# KiCad board 20250915_Mainboard_Design.kicad_pcb
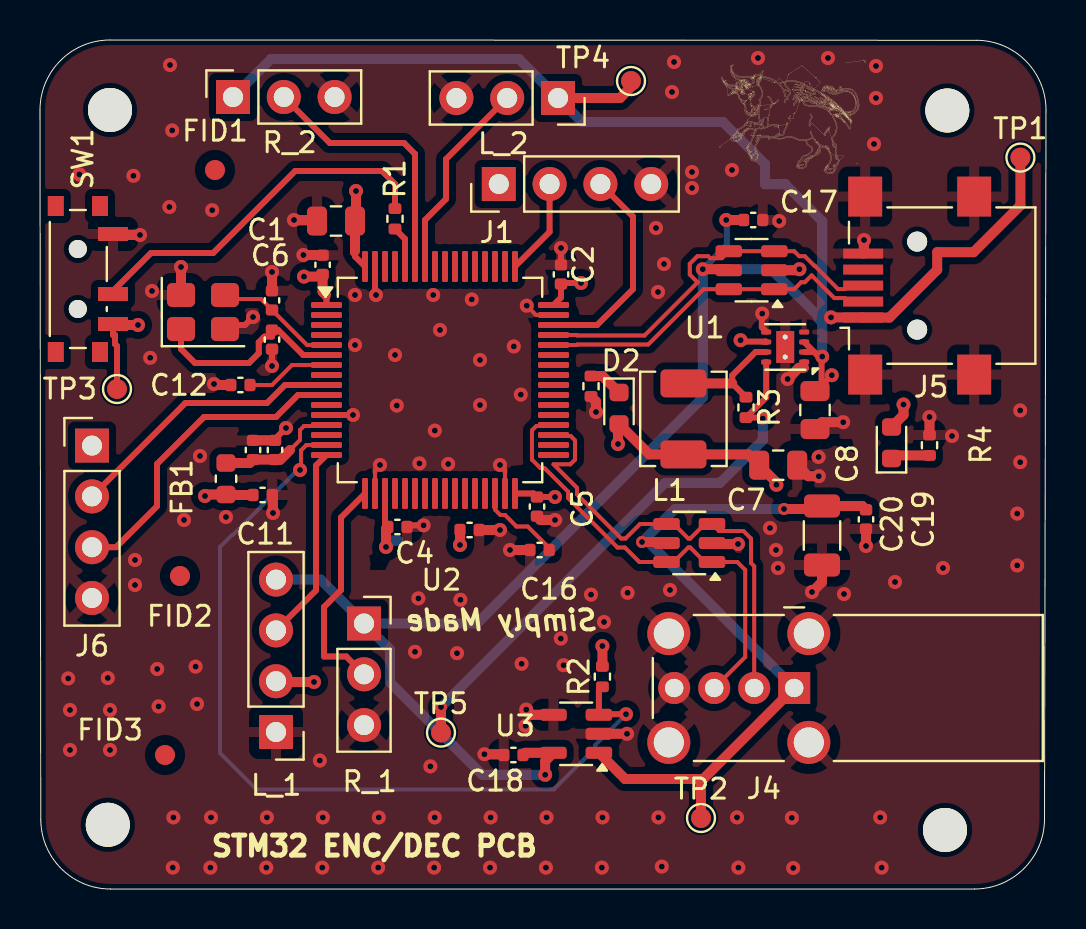
[diagram p0: board, top side]
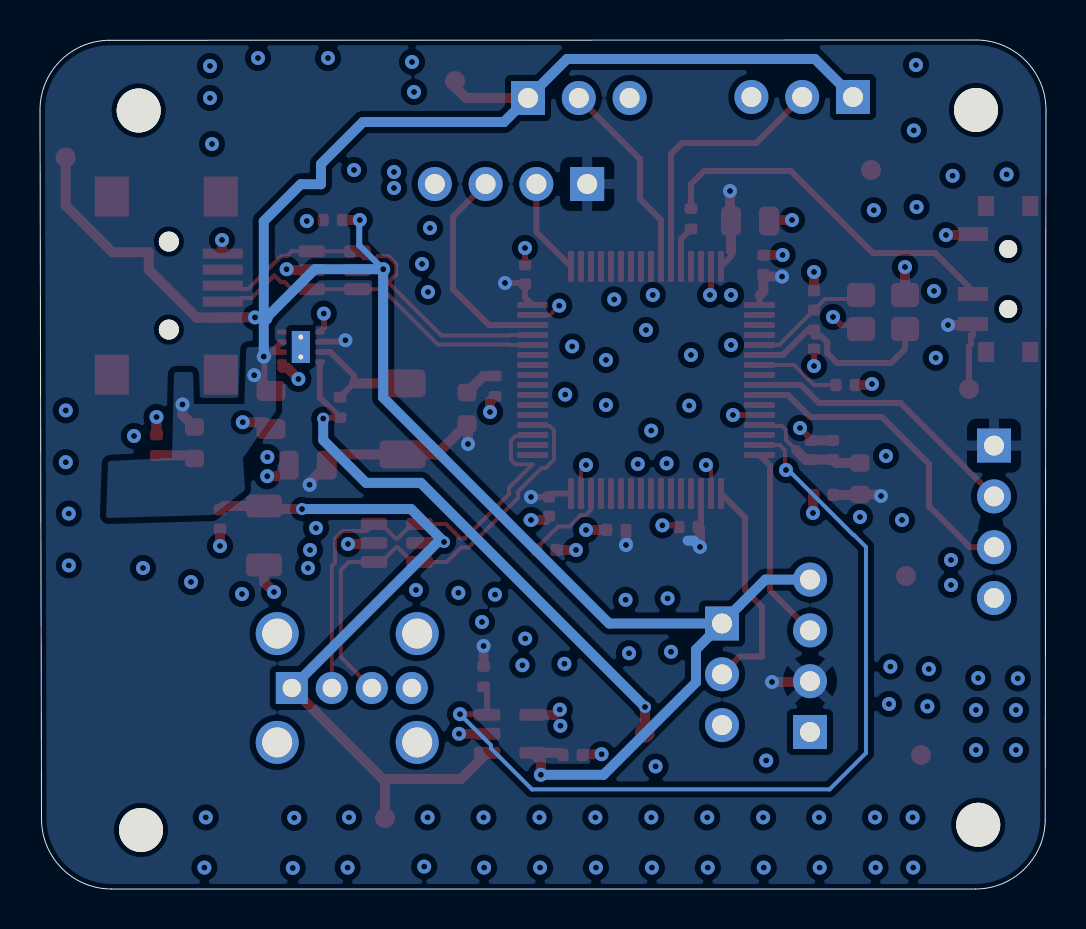
[diagram p1: board, bottom side, seen from below]

Outline 50.3 x 42.45 mm; copper layers: Top, In1.Cu (plane), In2.Cu, Bottom (plane). Coordinates in mm from the lower left corner of the outline.
Outline path: 0.04,3.49 0,38.95 arc(1.03,41.42) 3.5,42.45 46.82,42.44 arc(49.28,41.41) 50.3,38.95 ; 0.04,3.48 arc(1.06,1.02) 3.52,0 46.73,0 arc(49.2,1.03) 50.23,3.5 50.3,38.94
Stack: Top 0.035mm / dielectric 0.2104mm FR4 er 4.5 / In1.Cu 0.035mm / dielectric 1.065mm FR4 er 4.5 / In2.Cu 0.035mm / dielectric 0.2104mm FR4 er 4.5 / Bottom 0.035mm

## Placement (name value [footprint] x y rotation side)
C1  10u  [C_0805_2012Metric]  14.8 33.4 180 top
C2  100n  [C_0402_1005Metric]  26.05 30.73 90 top
C3  100n  [C_0402_1005Metric]  21.48 17.95 0 top
C4  100n  [C_0402_1005Metric]  17.87 18.1 0 top
C5  100n  [C_0402_1005Metric]  24.85 19.12 270 top
C6  100n  [C_0402_1005Metric]  14.13 31.21 90 top
C7  22u  [C_0805_2012Metric]  36.91 21.19 0 top
C8  10u  [C_0805_2012Metric]  38.75 23.95 270 top
C9  10n  [C_0402_1005Metric]  11.75 21.95 90 top
C10  1u  [C_0402_1005Metric]  10.65 21.95 90 top
C11  1u  [C_0402_1005Metric]  11.13 19.7 0 top
C12  100n  [C_0402_1005Metric]  10.02 25.2 180 top
C13  10p  [C_0402_1005Metric]  11.6 27.47 270 top
C14  10p  [C_0402_1005Metric]  11.6 29.43 90 top
C16  2.2u  [C_0402_1005Metric]  24.98 16.95 180 top
C17  1u  [C_0402_1005Metric]  35.66 33.45 180 top
C18  0.1u  [C_0402_1005Metric]  23.67 6.7 0 top
C19  0.1u  [C_0402_1005Metric]  41.3 18.48 90 top
C20  100u  [C_1206_3216Metric]  39.1 17.68 90 top
D1  LED  [LED_0603_1608Metric]  42.58 22.31 90 top
D2  LED  [LED_0603_1608Metric]  28.95 24.04 270 top
FB1  120R  [L_0603_1608Metric]  9.3 20.51 270 top
FID1  FM  [Fiducial_1mm_Mask2mm]  8.75 35.95 0 top  (not fitted)
FID2  FM  [Fiducial_1mm_Mask2mm]  7 15.65 0 top  (not fitted)
FID3  FM  [Fiducial_1mm_Mask2mm]  6.25 6.7 0 top  (not fitted)
H1  MountingHole  [MountingHole_2.2mm_M2]  3.5 38.95 0 top  (not fitted)
H2  MountingHole  [MountingHole_2.2mm_M2]  45.25 2.95 0 top  (not fitted)
H3  MountingHole  [MountingHole_2.2mm_M2]  45.37 38.92 0 top  (not fitted)
H4  MountingHole  [MountingHole_2.2mm_M2]  3.39 3.21 0 top  (not fitted)
J1  Conn_01x04_Pin  [PinHeader_1x04_P2.54mm_Vertical]  22.94 35.25 90 top  (not fitted)
J4  USB_A  [USB_A_Wuerth_614004134726_Horizontal]  37.71 10.05 180 top  (not fitted)
J5  USB_B_Micro  [USB_Mini-B_Lumberg_2486_01_Horizontal]  43.86 30.17 90 top
J6  Conn_01x04_Pin  [PinHeader_1x04_P2.54mm_Vertical]  2.6 22.17 0 top  (not fitted)
L1  2u2  [L_TechFuse_SL0420]  32.17 23.51 270 top
L_1  Conn_01x04_Pin  [PinHeader_1x04_P2.54mm_Vertical]  11.8 7.85 180 top  (not fitted)
L_2  Conn_01x03_Pin  [PinSocket_1x03_P2.54mm_Vertical]  25.9 39.55 270 top  (not fitted)
R1  10k  [R_0402_1005Metric]  17.75 33.51 270 top
R2  10k  [R_0402_1005Metric]  28.12 10.62 90 top
R3  100k  [R_0402_1005Metric]  35.3 24.08 270 top
R4  1k  [R_0402_1005Metric]  44.47 22.19 90 top
R5  1k  [R_0402_1005Metric]  27.55 25.14 90 top
R_1  Conn_01x03_Pin  [PinSocket_1x03_P2.54mm_Vertical]  16.2 13.28 0 top  (not fitted)
R_2  Conn_01x03_Pin  [PinSocket_1x03_P2.54mm_Vertical]  9.65 39.6 90 top  (not fitted)
SW1  SW_SPDT  [SW_SPDT_PCM12]  2.22 30.5 270 top
TP1  TestPoint  [TestPoint_Pad_D1.0mm]  49.02 36.57 0 top  (not fitted)
TP2  TestPoint  [TestPoint_Pad_D1.0mm]  33.05 3.55 0 top  (not fitted)
TP3  TestPoint  [TestPoint_Pad_D1.0mm]  3.85 25 0 top  (not fitted)
TP4  TestPoint  [TestPoint_Pad_D1.0mm]  29.55 40.4 0 top  (not fitted)
TP5  TestPoint  [TestPoint_Pad_D1.0mm]  20.05 7.82 0 top  (not fitted)
U1  TPS62162DSG  [WSON-8-1EP_2x2mm_P0.5mm_EP0.9x1.6mm_ThermalVias]  37.26 27.1 180 top
U2  STM32F446RCTx  [LQFP-64_10x10mm_P0.5mm]  20 25.45 0 top
U3  TPS2041B  [SOT-23-5]  26.81 7.76 180 top
USB_EDC_PROT1  USBLC6-2SC6  [SOT-23-6]  35.58 30.94 180 top
USB_EDC_PROT2  USBLC6-2SC6  [SOT-23-6]  32.46 17.3 180 top
Y1  16MHz  [Crystal_SMD_3225-4Pin_3.2x2.5mm]  8.15 28.85 0 top

## Library data of the parts
C1 C8 = -: Datasheet: https://jlcpcb.com/api/file/downloadByFileSystemAccessId/8579706853615591424; Description: 10uF 25V X5R ±10% 0805 Multilayer Ceramic Capacitors MLCC - SMD/SMT ROHS; JLCPCB Part #: C15850; Manufacturer: Samsung Electro-Mechanics; Manufacturer Part Number: CL21A106KAYNNNE; ki_fp_filters: C_*
C2-C6 C12 = -: Datasheet: https://jlcpcb.com/api/file/downloadByFileSystemAccessId/8579707269996871680; Description: 100nF 16V X7R ±10% 0402 Multilayer Ceramic Capacitors MLCC - SMD/SMT ROHS; JLCPCB Part #: C1525; Manufacturer: Samsung Electro-Mechanics; Manufacturer Part Number: CL05B104KO5NNNC; ki_fp_filters: C_*
C7 = -: Datasheet: https://jlcpcb.com/api/file/downloadByFileSystemAccessId/8579706866429190144; Description: 22uF 25V X5R ±20% 0805 Multilayer Ceramic Capacitors MLCC - SMD/SMT ROHS; JLCPCB Part #: C45783; Manufacturer: Samsung Electro-Mechanics; Manufacturer Part Number: CL21A226MAQNNNE; ki_fp_filters: C_*
C9 = -: Datasheet: https://jlcpcb.com/api/file/downloadByFileSystemAccessId/8579707307011465216; Description: 10nF 50V X7R ±10% 0402 Multilayer Ceramic Capacitors MLCC - SMD/SMT ROHS; JLCPCB Part #: C15195; Manufacturer: Samsung Electro-Mechanics; Manufacturer Part Number: CL05B103KB5NNNC; ki_fp_filters: C_*
C10 C11 C17 = -: Datasheet: https://jlcpcb.com/api/file/downloadByFileSystemAccessId/8579707174974914560; Description: 1uF 25V X5R ±10% 0402 Multilayer Ceramic Capacitors MLCC - SMD/SMT ROHS; JLCPCB Part #: C52923; Manufacturer: Samsung Electro-Mechanics; Manufacturer Part Number: CL05A105KA5NQNC; ki_fp_filters: C_*
C13 C14 = -: Datasheet: https://wmsc.lcsc.com/wmsc/upload/file/pdf/v2/lcsc/2012231840_EYANG-Shenzhen-Eyang-Tech-Development-C0105C0G100J250NTZ_C881839.pdf; Description: 10pF 50V C0G ±5% 0402 Multilayer Ceramic Capacitors MLCC - SMD/SMT ROHS; JLCPCB Part #: C32949; Manufacturer: Samsung Electro-Mechanics; Manufacturer Part Number: CL05C100JB5NNNC; ki_fp_filters: C_*
C16 = -: Datasheet: https://jlcpcb.com/api/file/downloadByFileSystemAccessId/8586178550172540928; Description: 2.2uF 6.3V X5R ±20% 0402 Multilayer Ceramic Capacitors MLCC - SMD/SMT ROHS; JLCPCB Part #: C12530; Manufacturer: Samsung Electro-Mechanics; Manufacturer Part Number: CL05A225MQ5NSNC; ki_fp_filters: C_*
C18 C19 = -: Datasheet: https://jlcpcb.com/api/file/downloadByFileSystemAccessId/8554627388281098240; Description: 100nF 50V X7R ±10% 0402 Multilayer Ceramic Capacitors MLCC - SMD/SMT ROHS; JLCPCB Part #: C307331; Manufacturer: Samsung Electro-Mechanics; Manufacturer Part Number: CL05B104KB54PNC; ki_fp_filters: C_*
C20 = -: Datasheet: https://jlcpcb.com/api/file/downloadByFileSystemAccessId/8586178582331215872; Description: 100uF 6.3V X5R ±20% 1206 Multilayer Ceramic Capacitors MLCC - SMD/SMT ROHS; JLCPCB Part #: C15008; Manufacturer: Samsung Electro-Mechanics; Manufacturer Part Number: CL31A107MQHNNNE; ki_fp_filters: C_*
D1 D2 = -: Datasheet: https://jlcpcb.com/api/file/downloadByFileSystemAccessId/8550723991833485312; Description: -40℃~+85℃ 120° 2.4V 20mA 300mcd 40mW 615nm~630nm 645nm Red Water Clear 0603 LED Indication - Discrete ROHS; Sim.Pins: 1=K 2=A; JLCPCB Part #: C2286; Manufacturer: Hubei KENTO Elec; Manufacturer Part Number: KT-0603R; ki_fp_filters: LED* LED_SMD:* LED_THT:*
FB1 = -: Datasheet: https://jlcpcb.com/api/file/downloadByFileSystemAccessId/8588918745326080000; Description: Ferrite bead; JLCPCB Part #: C98285; Manufacturer: Sunlord; Manufacturer Part Number: PZ1608D121-1R0TF; ki_fp_filters: Inductor_* L_* *Ferrite*
FID1-FID3 = -: Datasheet: https://jlcpcb.com/api/file/downloadByFileSystemAccessId/8588933298306998272; Description: Fiducial Marker; ki_fp_filters: Fiducial*
H1-H4 = -: Description: Mounting Hole without connection; ki_fp_filters: MountingHole*
J1 J6 L_1 = -: Description: Generic connector, single row, 01x04, script generated; ki_fp_filters: Connector*:*_1x??_*
J4 = -: Description: USB Type A connector; ki_fp_filters: USB*
J5 = -: Datasheet: https://www.we-online.com/components/products/datasheet/65100516121.pdf; Description: SMD USB Connectors ROHS; JLCPCB Part #: C5120592; Manufacturer: Wurth Elektronik; Manufacturer Part Number: 65100516121; ki_fp_filters: USB*Micro*B*
L1 = -: Datasheet: https://jlcpcb.com/api/file/downloadByFileSystemAccessId/8603187355977469952; Description: 3.3uH 3.5A 4A ±20% SMD,4.5x4.1mm Inductors (SMD) ROHS; JLCPCB Part #: C22463806; Manufacturer: TECHFUSE; Manufacturer Part Number: SL0420-2R2M; ki_fp_filters: Choke_* *Coil* Inductor_* L_*
L_2 R_1 R_2 = -: Description: Generic connector, single row, 01x03, script generated; ki_fp_filters: Connector*:*_1x??_*
R1 R2 = -: Datasheet: https://jlcpcb.com/api/file/downloadByFileSystemAccessId/8556212101498380288; Description: -55℃~+155℃ 10kΩ 50V 62.5mW Thick Film Resistor ±1% ±100ppm/℃ 0402 Chip Resistor - Surface Mount ROHS; JLCPCB Part #: C25744; Manufacturer: UNI-ROYAL(Uniroyal Elec); Manufacturer Part Number: 0402WGF1002TCE; ki_fp_filters: R_*
R3-R5 = -: Datasheet: https://jlcpcb.com/api/file/downloadByFileSystemAccessId/8579705924167974912; Description: -55℃~+155℃ 1kΩ 50V 62.5mW Thick Film Resistor ±1% ±100ppm/℃ 0402 Chip Resistor - Surface Mount ROHS; JLCPCB Part #: C11702; Manufacturer: UNI-ROYAL(Uniroyal Elec); Manufacturer Part Number: 0402WGF1001TCE; ki_fp_filters: R_*
SW1 = -: Datasheet: https://jlcpcb.com/api/file/downloadByFileSystemAccessId/8588906493386608641; Description: Switch, single pole double throw; JLCPCB Part #: C221841; Manufacturer: C&K; Manufacturer Part Number: PCM12SMTR
TP1-TP5 = -: Description: test point; ki_fp_filters: Pin* Test*
U1 = -: Datasheet: http://www.ti.com/lit/ds/symlink/tps62160.pdf; Description: 1A Step-Down Converter with DCS-Control, fixed 3.3V output, 3-17V input voltage, WSON-8; JLCPCB Part #: C40256; Manufacturer: Texas Instruments; Manufacturer Part Number: TPS62162DSGR; ki_fp_filters: WSON*EP*2x2mm*P0.5mm*
U2 = -: Datasheet: https://jlcpcb.com/api/file/downloadByFileSystemAccessId/8586182311188566016; Description: STMicroelectronics Arm Cortex-M4 MCU, 256KB flash, 128KB RAM, 180 MHz, 1.8-3.6V, 50 GPIO, LQFP64; JLCPCB Part #: C69336; Manufacturer: STMicroelectronics; Manufacturer Part Number: STM32F446RET6; ki_fp_filters: LQFP*10x10mm*P0.5mm*
U3 = -: Datasheet: http://www.ti.com/lit/ds/symlink/tps2041.pdf; Description: Single power-distribution switcher; JLCPCB Part #: C51386; Manufacturer: Texas Instruments; Manufacturer Part Number: TPS2041BDBVR; ki_fp_filters: SOT?23*
USB_EDC_PROT1 USB_EDC_PROT2 = -: Datasheet: https://www.st.com/resource/en/datasheet/usblc6-2.pdf; Description: Very low capacitance ESD protection diode, 2 data-line, SOT-23-6; JLCPCB Part #: C7519; Manufacturer: Texas Instruments; ki_fp_filters: SOT?23*
Y1 = -: Datasheet: https://jlcpcb.com/api/file/downloadByFileSystemAccessId/8589837494851170304; Description: Four pin crystal, GND on pins 2 and 4; JLCPCB Part #: C880097; Manufacturer: NDK; Manufacturer Part Number: NX3225SA-16MHz-STD-CSR-6; ki_fp_filters: Crystal*

## Footprints (pads in the part's own frame, mm; a bottom-side part is the same pattern mirrored in y, then rotated)
C_0402_1005Metric
  rrect 0.56x0.62 smd: 1(-0.48,0) 2(0.48,0)
C_0805_2012Metric
  rrect 1x1.45 smd: 1(-0.95,0) 2(0.95,0)
C_1206_3216Metric
  rrect 1.15x1.8 smd: 1(-1.475,0) 2(1.475,0)
Crystal_SMD_3225-4Pin_3.2x2.5mm
  rrect 1.4x1.2 smd: 1(-1.1,-0.85) 2(1.1,-0.85) 3(1.1,0.85) 4(-1.1,0.85)
Fiducial_1mm_Mask2mm
  round 1 smd: (0,0)
L_0603_1608Metric
  rrect 0.875x0.95 smd: 1(-0.787,0) 2(0.787,0)
L_TechFuse_SL0420
  rrect 1.4x2.3 smd: 1(-1.775,0) 2(1.775,0)
LED_0603_1608Metric
  rrect 0.875x0.95 smd: 1(-0.787,0) 2(0.787,0)
LQFP-64_10x10mm_P0.5mm
  rrect 1.55x0.3 smd: 1(-5.675,3.75) 2(-5.675,3.25) 3(-5.675,2.75) 4(-5.675,2.25) 5(-5.675,1.75) 6(-5.675,1.25) 7(-5.675,0.75) 8(-5.675,0.25) 9(-5.675,-0.25) 10(-5.675,-0.75) 11(-5.675,-1.25) 12(-5.675,-1.75) 13(-5.675,-2.25) 14(-5.675,-2.75) 15(-5.675,-3.25) 16(-5.675,-3.75) 33(5.675,-3.75) 34(5.675,-3.25) 35(5.675,-2.75) 36(5.675,-2.25) 37(5.675,-1.75) 38(5.675,-1.25) 39(5.675,-0.75) 40(5.675,-0.25) 41(5.675,0.25) 42(5.675,0.75) 43(5.675,1.25) 44(5.675,1.75) 45(5.675,2.25) 46(5.675,2.75) 47(5.675,3.25) 48(5.675,3.75)
  rrect 0.3x1.55 smd: 17(-3.75,-5.675) 18(-3.25,-5.675) 19(-2.75,-5.675) 20(-2.25,-5.675) 21(-1.75,-5.675) 22(-1.25,-5.675) 23(-0.75,-5.675) 24(-0.25,-5.675) 25(0.25,-5.675) 26(0.75,-5.675) 27(1.25,-5.675) 28(1.75,-5.675) 29(2.25,-5.675) 30(2.75,-5.675) 31(3.25,-5.675) 32(3.75,-5.675) 49(3.75,5.675) 50(3.25,5.675) 51(2.75,5.675) 52(2.25,5.675) 53(1.75,5.675) 54(1.25,5.675) 55(0.75,5.675) 56(0.25,5.675) 57(-0.25,5.675) 58(-0.75,5.675) 59(-1.25,5.675) 60(-1.75,5.675) 61(-2.25,5.675) 62(-2.75,5.675) 63(-3.25,5.675) 64(-3.75,5.675)
MountingHole_2.2mm_M2
  round 2.2 hole 2.2 unplated: (0,0)
PinHeader_1x04_P2.54mm_Vertical
  rect 1.7x1.7 hole 1: 1(0,0)
  round 1.7 hole 1: 2(0,-2.54) 3(0,-5.08) 4(0,-7.62)
PinSocket_1x03_P2.54mm_Vertical
  rect 1.7x1.7 hole 1: 1(0,0)
  round 1.7 hole 1: 2(0,-2.54) 3(0,-5.08)
R_0402_1005Metric
  rrect 0.54x0.64 smd: 1(-0.51,0) 2(0.51,0)
SOT-23-5
  rrect 1.325x0.6 smd: 1(-1.137,0.95) 2(-1.137,0) 3(-1.137,-0.95) 4(1.137,-0.95) 5(1.137,0.95)
SOT-23-6
  rrect 1.325x0.6 smd: 1(-1.137,0.95) 2(-1.137,0) 3(-1.137,-0.95) 4(1.137,-0.95) 5(1.137,0) 6(1.137,0.95)
SW_SPDT_PCM12
  rect 1x0.8 smd: (-3.65,0.78) (-3.65,-1.43) (3.65,0.78) (3.65,-1.43)
  round 0.9 hole 0.9 unplated: (-1.5,-0.33) (1.5,-0.33)
  rect 0.7x1.5 smd: 1(-2.25,1.43) 2(0.75,1.43) 3(2.25,1.43)
TestPoint_Pad_D1.0mm
  round 1 smd: 1(0,0)
USB_A_Wuerth_614004134726_Horizontal
  rect 1.6x1.6 hole 0.92: 1(0,0)
  round 1.6 hole 0.92: 2(2,0) 3(4,0) 4(6,0)
  round 2.15 hole 1.5: 5(-0.73,2.72) 5(-0.73,-2.72) 5(6.27,2.72) 5(6.27,-2.72)
USB_Mini-B_Lumberg_2486_01_Horizontal
  round 1 hole 1 unplated: (-2.2,0) (2.2,0)
  rect 0.5x2 smd: 1(-1.6,2.7) 2(-0.8,2.7) 3(0,2.7) 4(0.8,2.7) 5(1.6,2.7)
  rect 2x1.7 smd: 6(-4.45,2.6) 6(-4.45,-2.85) 6(4.45,2.6) 6(4.45,-2.85)
WSON-8-1EP_2x2mm_P0.5mm_EP0.9x1.6mm_ThermalVias
  rect 0.75x0.65 smd: (0,0.4) (0,-0.4)
  rrect 0.5x0.25 smd: 1(-0.95,0.75) 2(-0.95,0.25) 3(-0.95,-0.25) 4(-0.95,-0.75) 5(0.95,-0.75) 6(0.95,-0.25) 7(0.95,0.25) 8(0.95,0.75)
  round 0.6 hole 0.25: 9(0,0.5) 9(0,-0.5)
  rect 0.9x1.6 smd: 9(0,0)
  rect 0.9x1.6 smd far side: 9(0,0)

## Nets
+3.3V: C1.1 C2.1 C3.1 C4.1 C5.1 C6.1 C7.1 C11.1 D2.2 FB1.2 J1.1 J6.1 L1.2 L_1.2 R2.2 SW1.3 TP3.1 U1.6 U2.1 U2.19 U2.32 U2.48 U2.64
+3.3VA: C9.1 C10.1 FB1.1 U2.13
+5V_SYS: C8.1 C17.2 C18.2 D1.2 J5.1 L_1.4 L_2.1 R_1.1 R_2.1 TP1.1 TP4.1 U1.2 U1.3 U3.5 USB_EDC_PROT1.5
GND: C1.2 C2.2 C3.2 C4.2 C5.2 C6.2 C7.2 C8.2 C9.2 C10.2 C11.2 C12.2 C13.2 C14.2 C16.2 C17.1 C18.1 C19.1 C20.1 J1.4 J4.4 J4.5 J5.5 J5.6 J6.4 L_1.1 L_2.3 R4.2 R5.1 R_1.3 R_2.3 SW1.1 U1.1 U1.4 U1.5 U1.9 U2.12 U2.18 U2.31 U2.47 U2.63 U3.2 U3.4 USB_EDC_PROT1.2 USB_EDC_PROT2.2 Y1.2 Y1.4
/BOOT0: R1.2 U2.60
/LASER_1_OUT: L_1.3 U2.16
/LASER_2_OUT: L_2.2 U2.58
/NRST: C12.1 U2.7
/RECEIVER_1_IN: R_1.2 U2.17
/RECEIVER_2_IN: R_2.2 U2.59
/SW_BOOT0: R1.1 SW1.2
/SWCLK: J1.2 U2.49
/SWDIO: J1.3 U2.46
/USB_DEVICE_N: J5.2 U2.44 USB_EDC_PROT1.1 USB_EDC_PROT1.6
/USB_DEVICE_P: J5.3 U2.45 USB_EDC_PROT1.3 USB_EDC_PROT1.4
/USB_HOST_N: J4.2 U2.35 USB_EDC_PROT2.3 USB_EDC_PROT2.4
/USB_HOST_P: J4.3 U2.36 USB_EDC_PROT2.1 USB_EDC_PROT2.6
/V_BUS_HOST: C19.2 C20.2 J4.1 TP2.1 U3.1 USB_EDC_PROT2.5
Net-(D1-K): D1.1 R4.1
Net-(D2-K): D2.1 R5.2
Net-(J6-Pin_2): J6.2 U2.9
Net-(J6-Pin_3): J6.3 U2.10
Net-(U1-PG): R3.2 TP5.1 U1.8
Net-(U1-SW): L1.1 R3.1 U1.7
Net-(U2-PA1): R2.1 U2.15 U3.3
Net-(U2-PH0): C14.1 U2.5 Y1.3
Net-(U2-PH1): C13.1 U2.6 Y1.1
Net-(U2-VCAP_1): C16.1 U2.30

Pads without a net: J5 4; U2 2 3 4 8 11 14 20 21 22 23 24 25 26 27 28 29 33 34 37 38 39 40 41 42 43 50 51 52 53 54 55 56 57 61 62

## Via types
v1: diameter 0.7, hole 0.3, Top to Bottom, 159 vias
v2: diameter 0.6, hole 0.3, Top to Bottom, 4 vias

## Routing (per net, layer and track width the routed paths; a pad name or vN(x,y) marks a point on that pad's centre or on a via; arc(x,y) is an arc through that point)
+3.3V: length 37.7
  Top w0.3: U1.6 36.29,27.37 35.2,27.37 35.13,27.44 v1(35.03,27.44) ; SW1.3 3.65,27.7 3.75,27.7 3.75,27.25 3.85,27.15 TP3.1 ; U2.32 24.67,19.78 C5.1 v1(25.75,19.6) ; U2.19 17.25,18.24 C4.1 ; 15.65,31.8 15.65,32.1 15.75,32.2 15.75,31.63 U2.64 ; v1(27.05,30.3) 26.1,30.3 C2.1 26.05,29.58 U2.48 ; 14.3,29.7 14.33,29.68 U2.1
  Top w0.5: 3.5,28.25 3.55,28.2 v1(4.9,28.2) ; v1(13.7,10.35) 11.84,10.35 L_1.2 ; v1(15.8,34.9) 15.8,33.45 C1.1 15.75,31.9 ; C3.1 v1(21,17.2) ; C11.1 9.33,19.7 FB1.2 8.33,19.73 v1(8.25,19.65) ; v1(17.3,17.1) 17.3,18.01 C4.1 ; v1(28.9,22.25) 28.9,23.2 D2.2 30.47,21.73 L1.2 35.42,21.73 C7.1 36.82,20.33 v1(36.82,20.21) ; R2.2 v1(28.12,12.15) ; 14.3,29.7 14.13,29.87 C6.1 14.02,30.62 v1(13.2,30.62)
  Bottom w0.5: 20.92,17.28 v1(21,17.2) ; v1(17.3,17.1) 17.62,17.42 17.92,17.42
+3.3VA: length 5.3
  Top w0.2: 13.75,23.2 13.7,23.15 13.2,23.15 13,22.95 13,22.45 12.5,21.95
  Top w0.5: FB1.1 10.48,21.3 C10.1 C9.1 11.77,21.45 ; 12,21.45 12.5,21.95
+5V_SYS: length 127.8
  Top w0.3: U1.3 38.88,26.69 ; 38.88,26.69 39.08,26.48 39.08,25.23 C8.1 38.8,24.9 v1(39.59,25.69) ; 38.88,26.69 38.71,26.85 U1.2
  Top w0.5: TP4.1 29.55,40.1 29,39.55 L_2.1 ; v1(39.55,28.58) 41.15,28.58 J5.1 42.47,28.57 44.86,30.96 44.86,31.84 46.68,31.84 49.02,34.18 TP1.1 ; v1(43.17,24.23) 43.17,23.7 D1.2 ; C17.2 v1(34.31,33.45) ; v1(33.14,30.99) 34.42,30.99 34.47,30.94 ; C18.2 24.26,6.81 U3.5 25.26,6.4 v1(25.26,5.71)
  Bottom w0.3: v1(33.14,30.99) 34.34,32.19 34.34,33.44
  Bottom w0.5: L_1.4 14.03,15.47 16.2,13.3 R_1.1 ; 39.11,28.34 38.95,28.5 38.95,28.59 ; 39.11,28.34 v1(39.11,26.62) ; 39.11,28.34 39.11,33.39 37.26,35.24 36.25,35.24 36.25,36.25 34.15,38.35 27.1,38.35 L_2.1 23.95,41.5 11.55,41.5 R_2.1 ; 38.92,28.55 38.95,28.59 ; 38.95,28.59 36.55,30.99 v1(33.14,30.99) 33.14,24.57 21.84,13.28 R_1.1 ; R_1.1 17.5,11.97 17.5,10.33 22.12,5.71 v1(25.26,5.71)
GND: length 41.3
  Top w0.2: 32.26,10.47 32.26,9.98 ; v1(23,21.2) 23.25,20.95 U2.31 ; v1(17,21.2) 16.75,20.95 U2.18 ; v1(24.34,29.17) 24.8,28.7 U2.47
  Top w0.3: Y1.2 9.45,28.2 10.25,28.2 v1(10.65,28.6) ; C4.2 18.43,18.18 v1(19.18,18.18) ; U2.12 v1(15.65,23.7) ; v1(36.11,28.77) 36.09,28.75 36.09,28.09 36.31,27.87 ; v1(11.6,26.15) C13.2 ; v1(16.8,29.7) 16.75,29.75 U2.63 ; v1(26.05,32.05) C2.2 ; v1(12.3,23.05) 11.75,22.5 C9.2 ; 38.2,26.06 38.21,26.07 U1.1
  Top w0.5: v1(24.31,8.97) 24.57,8.71 U3.4 ; C6.2 14.12,31.7 v1(13.17,31.7) ; v1(7.05,31.1) Y1.4 ; v1(22.22,6.74) 23.15,6.74 C18.1 ; C9.2 C10.2 ; C12.2 8.75,25.2 ; C20.1 39.1,15.35 v1(38.6,14.85) ; v1(41.2,32.45) 41.2,31.81 J5.5 ; 36.75,30.94 37.92,30.94 v1(37.97,30.99) ; 37.38,25.52 v1(37.38,25.5) 37.94,26.06 38.2,26.06 ; C1.2 13.8,33.45 v1(12.7,33.45) ; 25,18.45 v1(25.75,18.45) ; v1(44.47,23.6) R4.2 ; v1(27.8,23.85) 27.8,24.38 R5.1 ; v1(23.5,16.95) C16.2 ; v1(11.6,30.85) C14.2 ; v1(11.65,18.8) 11.65,19.66 C11.2 ; v1(5,32.7) 3.55,32.7 3.5,32.75 ; v1(38.94,20.64) 38.41,20.64 C7.2 ; v1(23,17.95) C3.2 ; v1(29.35,7.76) 27.94,7.76 ; v1(41.3,17.15) C19.1 ; C8.2 39.09,23.34 v1(40.16,23.34) ; v1(34.9,17.25) 33.65,17.25 USB_EDC_PROT2.2
  Bottom w0.5: 25.88,18.45 v1(25.75,18.45) 25.62,18.45
  vias: v1(1.41,10.53) v1(1.5,8.95) v1(1.5,6.95) v1(1.97,35.73) v1(3.39,10.55) v1(3.5,8.95) v1(3.5,6.95) v1(4.67,35.66) v1(4.75,16.45) v1(4.75,15.2) v1(5.51,26.56) v1(5.6,29.9) v1(5.86,11) v1(5.93,9.13) v1(6.5,41.2) v1(6.47,34.1) v1(6.61,37.93) v1(6.64,1.07) v1(6.67,3.58) v1(7.2,18.45) v1(7.78,11.12) v1(7.85,9.25) v1(8,21.65) v1(8.55,3.58) v1(8.52,1.07) v1(8.61,33.94) v1(8.7,25.25) v1(9.3,18.6) v1(11.35,3.58) v1(11.32,1.07) v1(13.99,6.43) v1(14.14,3.58) v1(14.11,1.07) v1(15.75,29.7) v1(15.75,27.2) v1(16.94,3.58) v1(16.91,1.07) v1(17.75,26.7) v1(17.84,24.17) v1(18.75,11.86) v1(18.92,14.53) v1(18.97,21.28) v1(19.52,6.13) v1(19.66,29.7) v1(19.74,22.92) v1(19.73,3.58) v1(19.7,1.07) v1(20,27.95) v1(20.41,21.25) v1(20.85,11.79) v1(21.02,14.46) v1(21.59,29.48) v1(22,26.45) v1(22,24.2) v1(22.53,3.58) v1(22.5,1.07) v1(23.69,27.13) v1(24.04,24.72) v1(24.08,11.26) v1(24.28,8.16) v1(25.33,3.58) v1(25.3,1.07) v1(26.04,12.52) v1(26.18,11.19) v1(27.55,14.72) v1(28.12,3.58) v1(28.09,1.07) v1(28.2,13.35) v1(29.38,14.81) v1(30.8,33.05) v1(30.9,29.85) v1(30.92,3.58) v1(31.09,1.12) v1(31.2,31.25) v1(31.5,14.95) v1(31.6,39.85) v1(31.7,41.35) v1(32.6,35.85) v1(32.6,35.05) v1(34.6,35.95) v1(34.85,3.58) v1(34.92,1.07) v1(35.9,41.55) v1(36.5,18.05) v1(36.8,16.95) v1(36.9,16.05) v1(36.96,33.4) v1(37.59,3.56) v1(37.66,1.05) v1(38.93,21.6) v1(39.4,41.55) v1(40.2,14.75) v1(41.7,37.25) v1(41.8,41.15) v1(41.8,39.55) v1(42.01,3.58) v1(42.08,1.07) v1(42.75,15.35) v1(45.15,16.05) v1(45.6,22.65) v1(48.86,18.77) v1(48.86,16.18) v1(49.01,23.93) v1(49.01,21.34)
/BOOT0: length 2.1
  Top w0.3: R1.2 18.25,32.5 U2.60
/LASER_1_OUT: length 10.1
  Top w0.2: U2.16 14,21.7
  Top w0.3: L_1.3 13.8,14.93 13.8,21.18 U2.16
/LASER_2_OUT: length 10.1
  Top w0.3: L_2.2 20.3,36.49 20.3,34.5 19.25,33.45 U2.58
/NRST: length 4.2
  Top w0.2: U2.7 12.6,26.2 11.6,25.2 C12.1
/RECEIVER_1_IN: length 11.4
  Top w0.3: U2.17 15.05,18.58 15.05,14.95 14.2,14.1 14.2,11.63 15.31,11.63 R_1.2
/RECEIVER_2_IN: length 13.4
  Top w0.3: U2.59 18.75,36.75 18.2,37.3 14.49,37.3 R_2.2
/SW_BOOT0: length 18.2
  Top w0.3: R1.1 17.75,35.25 17.1,35.9 12.76,35.9 8.66,31.8 5.55,31.8 3.65,29.9 SW1.2
/SWCLK: length 4.8
  Top w0.3: J1.2 25.48,32.86 U2.49
/SWDIO: length 10.6
  Top w0.3: J1.3 29.65,33.62 29.65,29.99 27.86,28.2 U2.46
/USB_DEVICE_N: length 17.8
  Top w0.2: USB_EDC_PROT1.1 37.71,29.99 38.06,30.34 38.24,30.34 38.58,30.68 39.72,29.55 40.23,29.55 40.41,29.37 J5.2 ; 34.47,29.99 36.75,29.99 ; U2.44 26.84,27.2 26.86,27.23 30.41,27.23 33.18,29.99 USB_EDC_PROT1.6 34.08,29.99
/USB_DEVICE_P: length 20.1
  Top w0.2: 34.08,31.89 USB_EDC_PROT1.4 34.09,31.54 33.51,31.54 33.41,31.64 32.87,31.64 32.49,31.26 32.49,30.72 32.87,30.34 32.89,30.34 30.22,27.68 26.86,27.68 26.84,27.7 U2.45 ; USB_EDC_PROT1.3 37.71,31.89 37.96,31.64 38.24,31.64 38.72,31.17 38.73,31.17 39.9,30 40.23,30 40.41,30.17 J5.3 40.99,30.17 ; 36.47,31.99 36.57,31.89 36.75,31.89 34.47,31.89
/USB_HOST_N: length 25.6
  Top w0.2: 26.33,22.73 26.3,22.7 U2.35 25.67,22.65 26.53,22.65 26.75,22.43 26.75,21.47 26.52,21.23 25.67,21.23 26.85,20.06 26.85,19.74 29.06,17.53 29.28,17.53 30,18.25 USB_EDC_PROT2.4 31.69,18.25 32.41,17.53 32.51,17.53 33.24,18.25 USB_EDC_PROT2.3 33.95,17.9 35.17,17.9 35.55,17.52 35.55,16.3 35.71,16.14 J4.2
  Bottom w0.5: 35.77,9.98 36.26,9.98 35.75,10.49
/USB_HOST_P: length 23
  Top w0.2: U2.36 25.63,23.15 24.82,23.15 24.6,22.93 24.6,21.47 25.02,21.05 25.22,21.05 26.4,19.87 26.4,19.55 28.88,17.08 29.24,17.08 29.97,16.35 USB_EDC_PROT2.6 31.69,16.35 32.41,17.08 32.51,17.08 33.24,16.35 USB_EDC_PROT2.1 34.86,16.35 35.26,15.95 35.26,11.6 J4.3 ; 26.3,23.2 26.33,23.18
/V_BUS_HOST: length 38.3
  Top w0.5: C19.2 41.11,19.15 C20.2 38.95,19 v2(37.2,19) ; C19.2 41.29,18.95 ; C19.2 41.34,19 ; USB_EDC_PROT2.5 31.28,17.35 v2(30.1,17.35) ; 33.16,5.5 29.25,5.5 27.94,6.81 ; 33.16,5.5 33.05,5.39 TP2.1 ; 33.16,5.5 J4.1 37.88,10.05
  Bottom w0.5: J4.1 30.41,17.35 v2(30.1,17.35) 31.75,19 v2(37.2,19)
Net-(D1-K): length 2
  Top w0.5: R4.1 42.73,21.68 42.58,21.53
Net-(D2-K): length 1.7
  Top w0.5: D2.1 28.12,25.65 R5.2
Net-(J6-Pin_2): length 14
  Top w0.3: J6.2 7.27,24.3 11.35,24.3 12.25,25.2 U2.9
Net-(J6-Pin_3): length 16.1
  Top w0.3: U2.10 12.9,24.7 11.8,23.6 8.2,23.6 5.85,21.25 5.85,19.14 3.8,17.09 J6.3
Net-(U1-PG): length 28
  Top w0.3: U1.8 36.31,24.58 R3.2 36.09,23.57 v2(36.14,23.52)
  Top w0.5: v2(20.05,9.1) TP5.1
  Bottom w0.5: v2(20.05,9.1) 31.26,20.31 34,20.31 36.14,22.45 v2(36.14,23.52)
Net-(U1-SW): length 6
  Top w0.3: R3.1 34.61,25.28 34.61,25.68 35.78,26.85 U1.7
  Top w0.5: 34.61,25.28 L1.1
Net-(U2-PA1): length 43.8
  Top w0.2: U2.15 13.32,22.2 13.05,21.93 13.05,21 v1(13,20.95)
  Top w0.3: v1(29.3,8.74) 27.97,8.74 27.94,8.71 27.94,9.94 R2.1
  Bottom w0.2: v1(29.3,8.74) 27.75,7.19 27.75,7.03 25.7,4.98 10.82,4.98 9,6.8 9,17.1 9.6,17.7 9.63,17.7 12.88,20.95 v1(13,20.95)
Net-(U2-PH0): length 6.8
  Top w0.2: 13.7,27.25 13.75,27.2 U2.5 13.35,27.2 C14.1 11.05,29.5 9.45,29.5 Y1.3
Net-(U2-PH1): length 10.4
  Top w0.3: Y1.1 7.05,27 7.75,26.3 10.45,26.3 10.94,26.79 10.94,27.34 11.22,27.62 11.6,27.62 C13.1 11.91,27.95 13.16,26.7 U2.6
  Top w0.5: 7.25,27.7 7.3,27.75
Net-(U2-VCAP_1): length 4.4
  Top w0.2: C16.1 25.46,17.05 24.39,18.12 23.83,18.12 23.25,18.7 23.02,18.7 22.75,18.97 U2.30
unconnected-(U2-PA9-Pad42): length 0.1
  Top w0.2: U2.42 25.72,26.15

## Copper pours and planes (outline as drawn; the poured copper is in the pictures)
+3.3V on Bottom: 0,42.35 0.1,-0.75 50.5,-0.75 50.5,42.45
+5V_SYS on Bottom: 38.5,27.14 38.5,23.9 40.15,21.55 40.05,19.95 41.65,18.7 47,18.55 46.9,21.4 43.7,21.55 43.6,25.85 42.65,25.85 42.6,24.25 40.08,24.25 39.98,27.08
GND on Top: 0,42.45 50.4,42.45 50.3,-0.75 0,-0.55
GND on In1.Cu, In2.Cu: 0,42.45 50.4,42.35 50.3,-0.75 0,-0.6

## Text on the board
F.Silkscreen: Simply Made | STM32 ENC/DEC PCB
